# Altium PCB Wall_Following_Robot_PCB.PcbDoc (part 1 of 2)
Units mm, origin at the board's own origin, x right, y up, seen from the top; angles counter-clockwise.
Board outline 197.92 x 110 mm, 2 copper layers (Top Layer, Bottom Layer); 215 components, 150 nets, 648 pads, 191 vias.
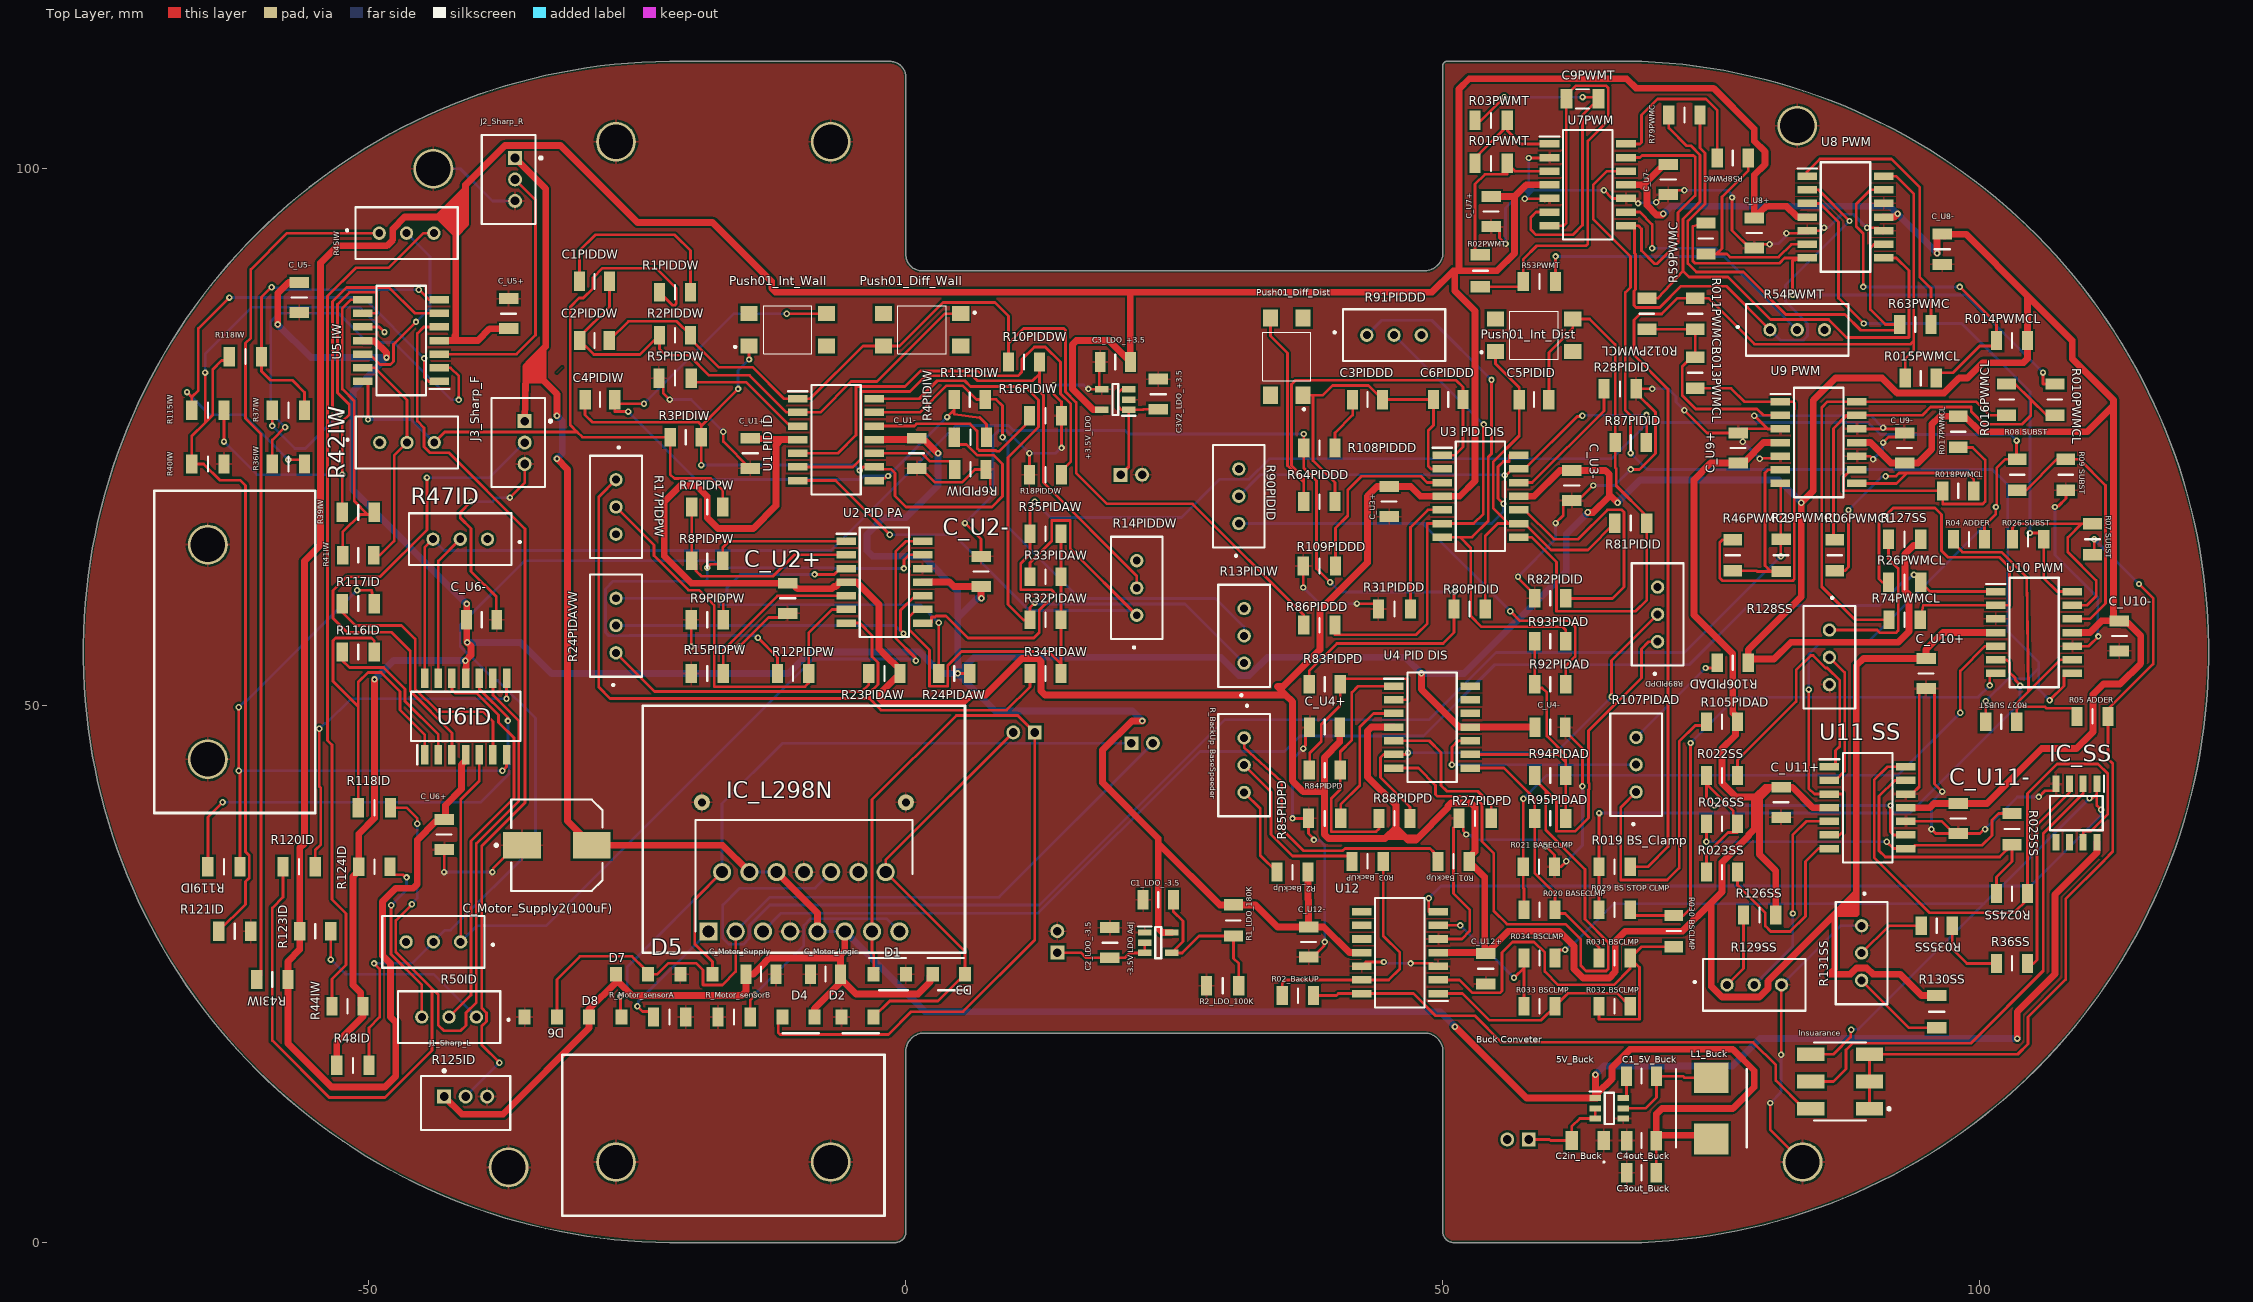
[diagram p0: Top Layer view]
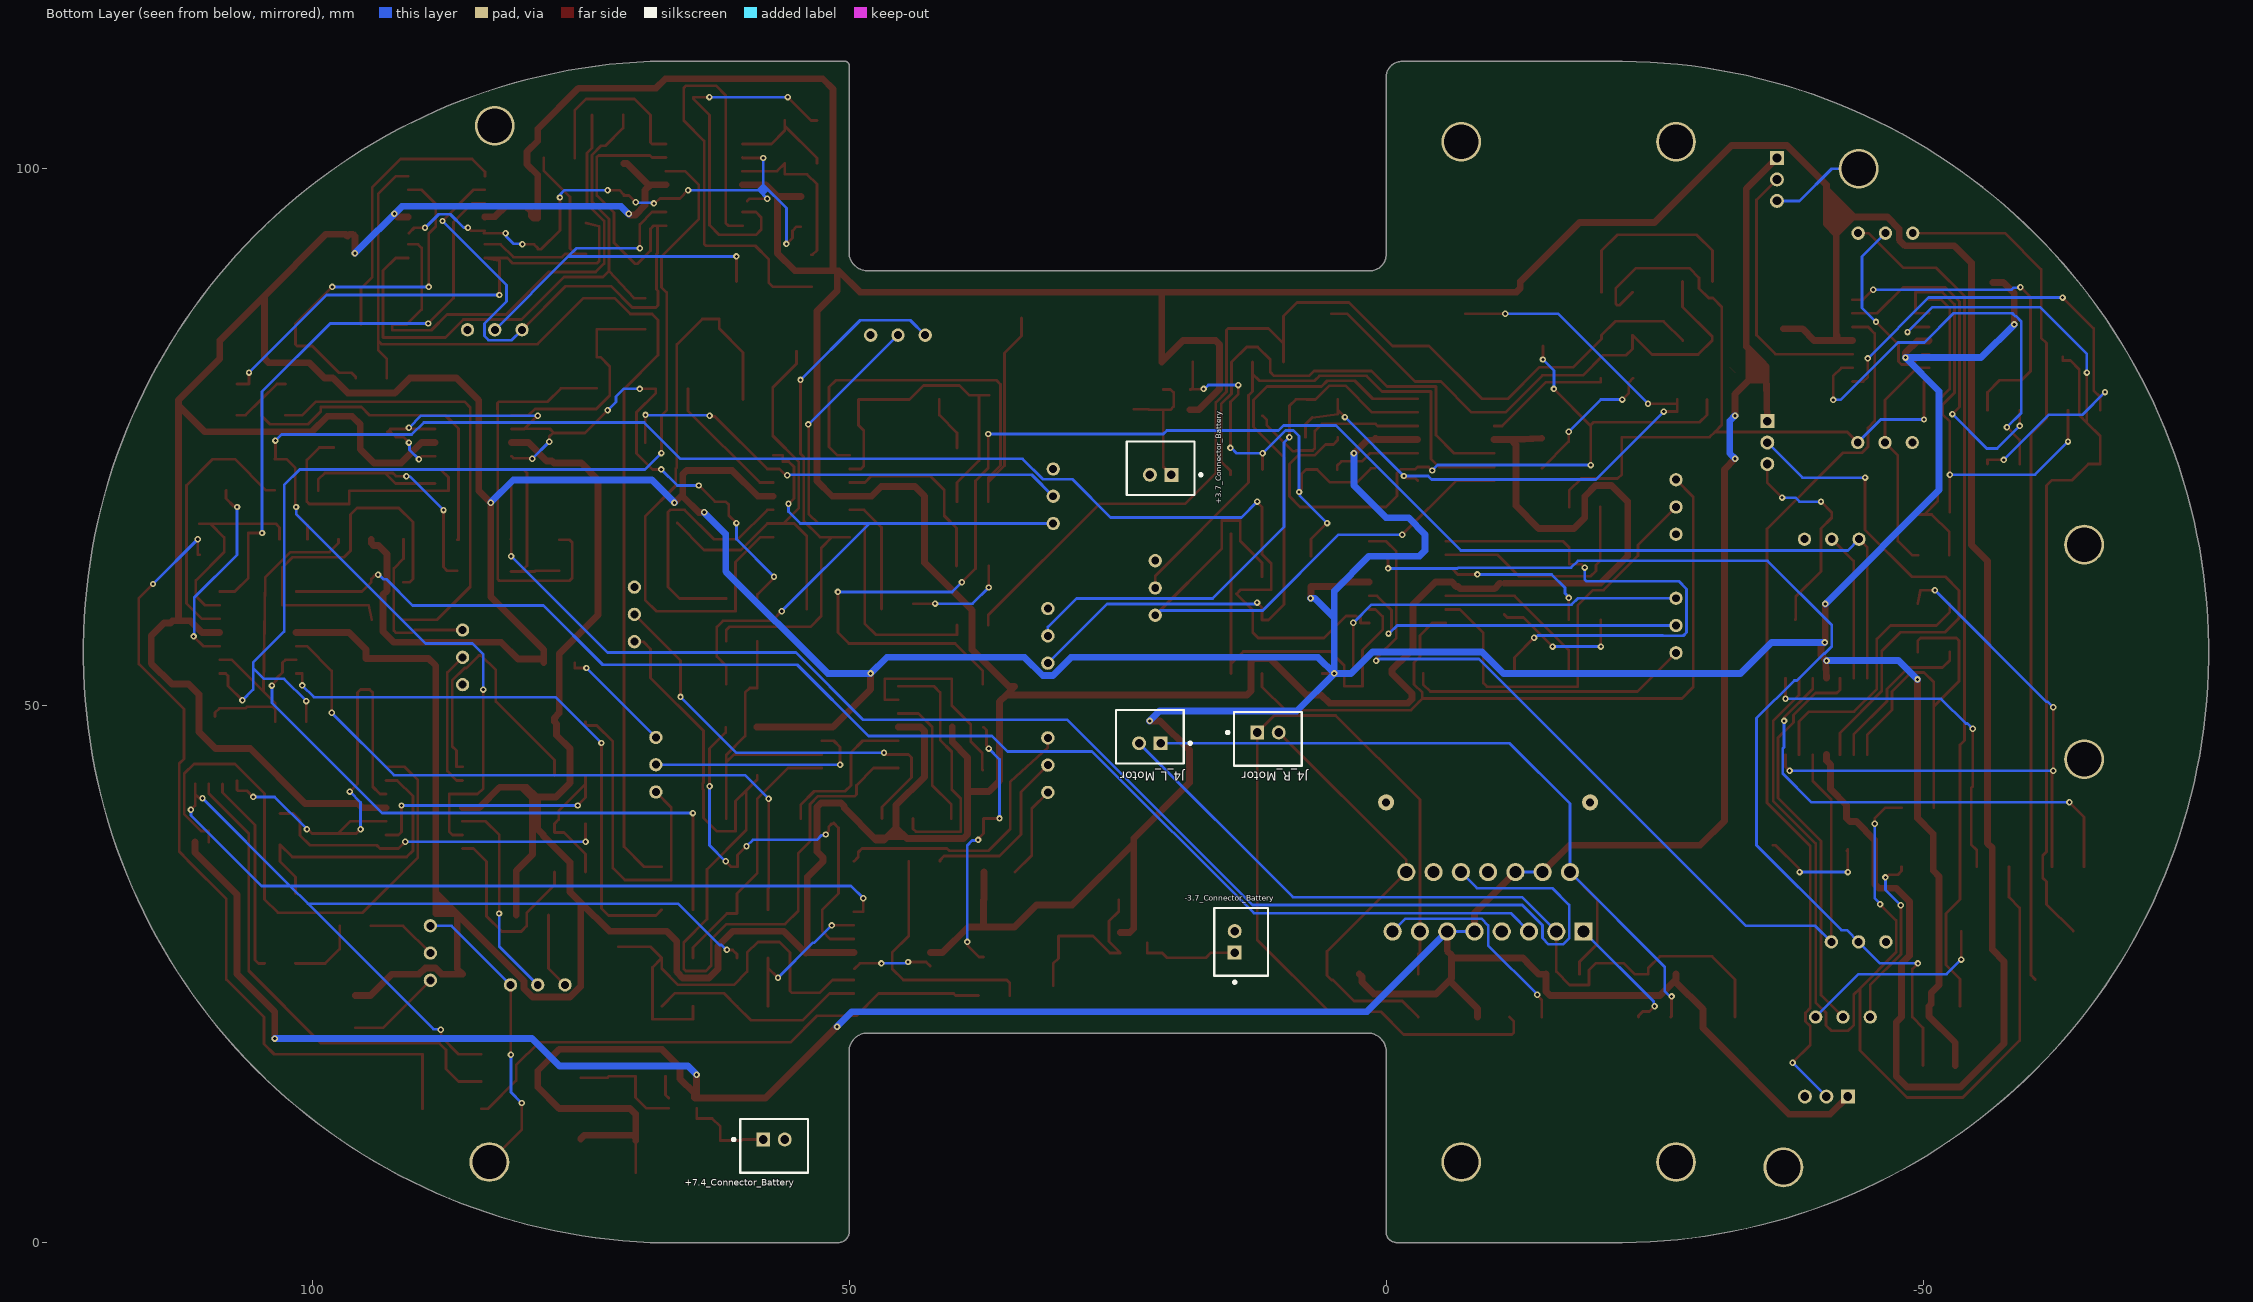
[diagram p1: Bottom Layer view, seen from below]
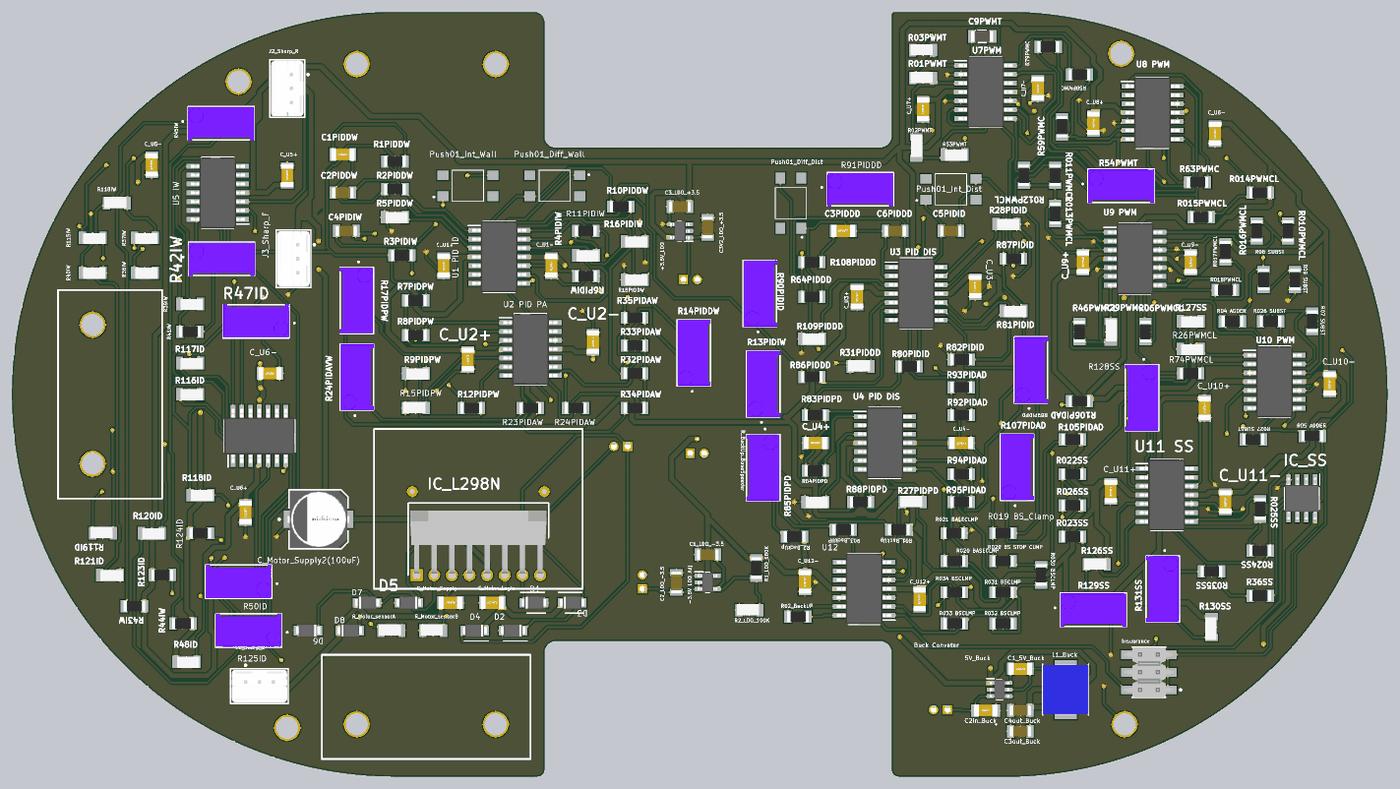
[diagram p3: 3D render of the assembled board from above, using the file's embedded part models]
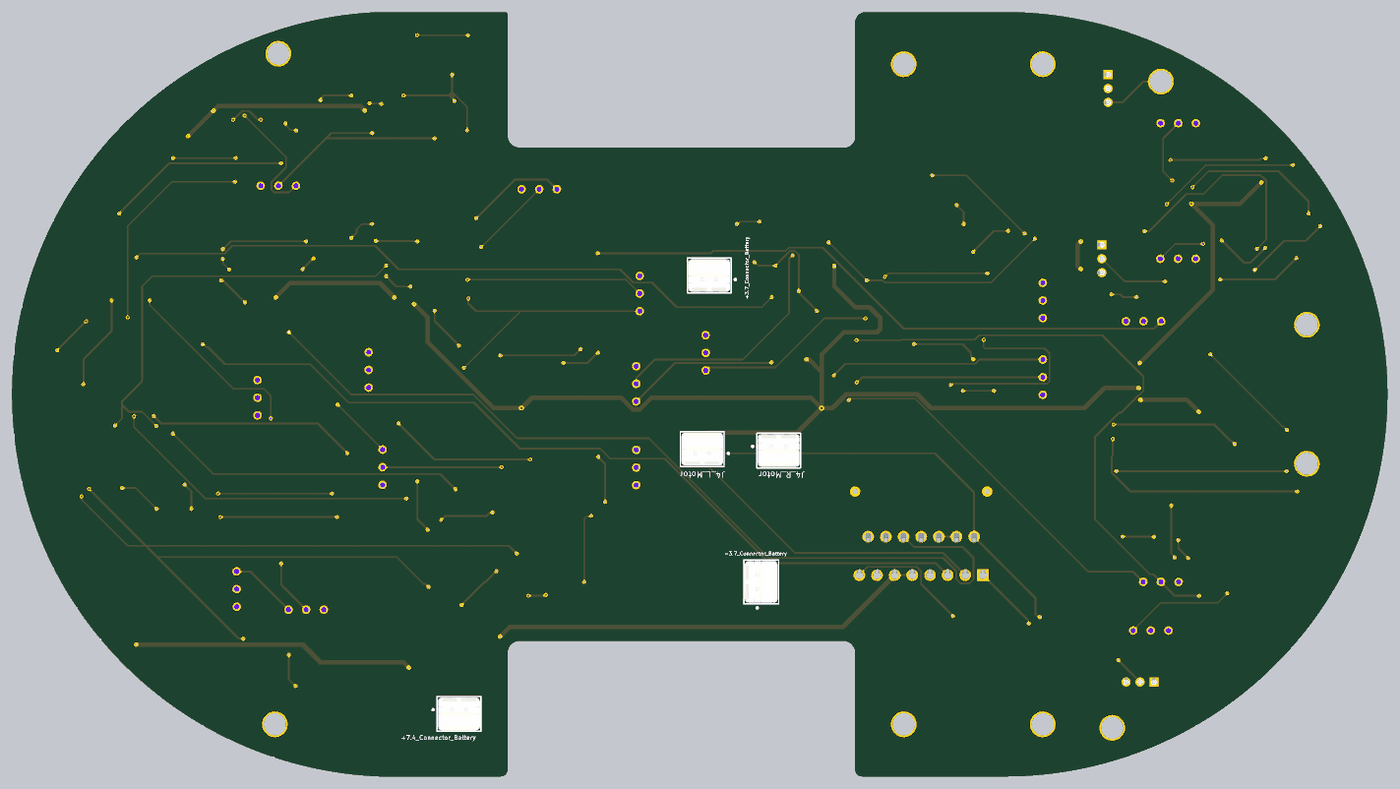
[diagram p4: 3D render of the assembled board from below, using the file's embedded part models]

## Layer stack, top to bottom
Top Solder: solder mask 0.0102, Solder Resist, Dk 3.5
Top Layer: signal copper 0.0356
Dielectric 1: dielectric 0.32, FR-4, Dk 4.8
Bottom Layer: signal copper 0.0356
Bottom Solder: solder mask 0.0102, Solder Resist, Dk 3.5

## Board outline
0,108.5 0,92 ccw(c1.5,92) 1.5,90.5 48.5,90.5 ccw(c48.25,92.25) 50,92 50,109.6 cw(c50.4,109.6) 50.4,110 68.5,110 cw(c66.276,55) 68.5,0 51,0 cw(c51,1) 50,1 50,18 ccw(c48.25,17.75) 48.5,19.5 1.507,19.5 ccw(c1.748,17.75) 0,18.003 0,1 cw(c-1,1) -1,0 -22,0 cw(c-21.601,55) -22,110 -1.5,110 cw(c-1.5,108.5)

## Design rules (kind name [scope] priority, off if disabled: settings)
BoardOutlineClearance [All] p1: gap=0.2 ignorepadtopadclearanceinfootprint=FALSE
Clearance [All] p1: gap=0.203 ignorepadtopadclearanceinfootprint=FALSE except(0.25: Arc-Hole Track-Hole SMDPad-Hole THPad-Hole Via-Hole Fill-Hole Poly-Hole Region-Hole Text-Hole)
ComponentClearance [All] p1: gap=0.127 collisioncheckmode=3 verticalgap=0.127 showdistances=TRUE
DiffPairsRouting [All] p1: maxlimit=0.381 minlimit=0.203 mostfreqgap=0.203 toplayer_minwidth=0.203 toplayer_maxwidth=25.4 toplayer_prefwidth=0.203 bottomlayer_minwidth=0.203 bottomlayer_maxwidth=25.4 bottomlayer_prefwidth=0.203 maxuncoupledlength=12.7
Height [All] p1: minheight=0 maxheight=1816.048 prefheight=12.7
HoleSize [All] p1: absolutevalues=TRUE maxlimit=6.3 minlimit=0.3 maxpercent=80.000 minpercent=20.000
HoleToHoleClearance [All] p1: gap=0.25 allowstackedmicrovias=FALSE
MinimumAnnularRing [All] p1: minimumring=0.076
MinimumSolderMaskSliver [All] p1: minsoldermaskwidth=0
PlaneClearance [All] p1: clearance=0.203
PlaneConnect PlaneConnectPowerPads [InPadClass('PowerPads')] p1: planeconnectstyle=Direct reliefexpansion=0.508 reliefentries=4 reliefconductorwidth=0.254 reliefairgap=0.254
PlaneConnect [All] p2: pad.planeconnectstyle=Relief pad.reliefexpansion=0.3 pad.reliefentries=4 pad.reliefconductorwidth=0.203 pad.reliefairgap=0.203 via.planeconnectstyle=Direct via.reliefexpansion=0.3 via.reliefentries=4 via.reliefconductorwidth=0.127 via.reliefairgap=0.127
PolygonConnect PolygonConnectPowerPads [All vs (InPadClass('PowerPads'))] p1: connectstyle=Direct reliefconductorwidth=0.254 reliefentries=4 polygonreliefangle="90 Angle" airgapwidth=0.254
PolygonConnect [All] p2: thpad.connectstyle=Relief thpad.reliefconductorwidth=0.203 thpad.reliefentries=4 thpad.polygonreliefangle="90 Angle" thpad.airgapwidth=0.203 smdpad.connectstyle=Relief smdpad.reliefconductorwidth=0.203 smdpad.reliefentries=4 smdpad.polygonreliefangle="90 Angle" smdpad.airgapwidth=0.203 via.connectstyle=Direct via.reliefconductorwidth=0.127 via.reliefentries=4 via.polygonreliefangle="90 Angle" via.airgapwidth=0.127
RoutingVias [All] p1: holewidth=0.3 width=0.6 viastyle="Through Hole" minholewidth=0.3 minwidth=0.6 maxholewidth=0.6 maxwidth=6.6
SilkToSilkClearance [All] p1: silktosilkclearance=0
SilkToSolderMaskClearance [IsPad] p1: minsilkscreentomaskgap=0.127 clearancetoexposedcopper=TRUE
SolderMaskExpansion [All] p1: expansion=0.075 istentingtop=FALSE
Width [All] p1: maxlimit=25.4 minlimit=0.203 preferedwidth=0.254 minimp=50.000000 maximp=50.000000 favimp=50.000000
20 further rules are at their usual default settings.

## Components (designator, comment, footprint, x,y, rotation, side; value= is the part's Value field where it differs from the comment)
5V_Buck "AP63205WU-7" SOT95P280X100-6N 65.5,12.5 r0 top
+3.5V_LDO "TLV70235DBVT" SOT95P280X145-5N 19.5,78.5 r180 top
+3.7_Connector_Battery "440054-2" FP-440054-2-MFG 21,72.1 r180 bottom
+7.4_Connector_Battery "440054-2" FP-440054-2-MFG 57,9 r0 bottom
"-3.5V LDO Adj" "MAX1735EUK30+T" SOT95P280X145-5N 23.5,27.925 r0 top
-3.7_Connector_Battery "440054-2" FP-440054-2-MFG 13.5,28 r270 bottom
C1_5V_Buck "0.1uF" CAPC3216X110N 68.5,15.5 r180 top
C1_LDO_-3.5 "1uF" CAPC3216X140N 23.5,31.925 r0 top
C1PIDDW "0.1uF" CAPC3216X110N -29,89.5 r0 top
C2_LDO_-3.5 "1uF" CAPC3216X140N 19,27.925 r270 top
C2in_Buck "10uF" C1206 63.5,9.5 r180 top
C2PIDDW "22nF" CAPC3216X95N -29,84 r0 top
C3_LDO_+3.5 "1uF" CAPC3216X140N 19.5,82 r0 top
C3out_Buck "22uF" CAPC3216X180N 68.5,6.5 r0 top
C3PIDDD "0.1uF" CAPC3216X110N 43,78.5 r0 top
C3V2_LDO_+3.5 "1uF" CAPC3216X140N 23.5,79 r90 top
C4out_Buck "22uF" CAPC3216X180N 68.5,9.5 r0 top
C4PIDIW "100uF" CAPC3216X180N -28.5,78.5 r0 top
C5PIDID "100uF" CAPC3216X180N 58.5,78.5 r0 top
C6PIDDD "22nF" CAPC3216X95N 50.5,78.5 r0 top
C9PWMT "30nF" CAPC3216X94N 63,106.5 r180 top
C_Motor_Logic "0.1uF" CAPC3216X110N -7.5,25 r0 top
C_Motor_Supply "0.1uF" CAPC3216X110N -13.5,25 r180 top
C_Motor_Supply2(100uF) "UWT1H101MNL1GS" FP-UWT1H101MNL1GS-MFG -32.5,37 r0 top
C_U1+ "0.1uF" CAPC3216X110N -14.5,73.5 r90 top
C_U1- "0.1uF" CAPC3216X110N 1,73.5 r90 top
C_U2+ "0.1uF" CAPC3216X110N -11,60 r90 top
C_U2- "0.1uF" CAPC3216X110N 7,62.5 r270 top
C_U3+ "0.1uF" CAPC3216X110N 45,69 r90 top
C_U3- "0.1uF" CAPC3216X110N 62,70.5 r90 top
C_U4+ "0.1uF" CAPC3216X110N 39,48 r0 top
C_U4- "0.1uF" CAPC3216X110N 60,48 r180 top
C_U5+ "0.1uF" CAPC3216X110N -37,86.5 r270 top
C_U5- "0.1uF" CAPC3216X110N -56.5,88 r90 top
C_U6+ "0.1uF" CAPC3216X110N -43,38 r90 top
C_U6- "0.1uF" CAPC3216X110N -39.5,58 r180 top
C_U7+ "0.1uF" CAPC3216X110N 54.5,96 r90 top
C_U7- "0.1uF" CAPC3216X110N 71,99 r90 top
C_U8+ "0.1uF" CAPC3216X110N 79,94 r90 top
C_U8- "0.1uF" CAPC3216X110N 96.5,92.5 r90 top
C_U9+ "0.1uF" CAPC3216X110N 77.5,74 r270 top
C_U9- "0.1uF" CAPC3216X110N 93,74 r270 top
C_U10+ "0.1uF" CAPC3216X110N 95,53 r90 top
C_U10- "0.1uF" CAPC3216X110N 113,56.5 r90 top
C_U11+ "0.1uF" CAPC3216X110N 81.5,41 r90 top
C_U11- "0.1uF" CAPC3216X110N 98,39.5 r90 top
C_U12+ "0.1uF" CAPC3216X110N 54,25.5 r90 top
C_U12- "0.1uF" CAPC3216X110N 37.5,28 r90 top
D1 "Diode_R1" SODFL3518X115N -1.5,25 r0 top
D2 "Diode_R2" SODFL3518X115N -4.5,21 r180 top
D3 "Diode_R3" SODFL3518X115N 4,25 r0 top
D4 "Diode_R4" SODFL3518X115N -10,21 r180 top
D5 "Diode_L1" SODFL3518X115N -19.5,25 r180 top
D6 "Diode_L2" SODFL3518X115N -34,21 r180 top
D7 "Diode_L3" SODFL3518X115N -25.5,25 r0 top
D8 "Diode_L4" SODFL3518X115N -28,21 r0 top
IC_L298N "L298N" TO127P500X2020X2210-15P -18.39,28.97 r0 top
IC_SS "MAX4544ESA+" SOIC127P600X175-8N 109,40 r270 top
Insuarance "95278-101A06LF" AMPM-95278-101A06LF_V 87,15 r90 top
J1_Sharp_L "440054-3" FP-440054-3-MFG -41,13 r180 top
J2_Sharp_R "440054-3" FP-440054-3-MFG -37,99 r90 top
J3_Sharp_F "440054-3" FP-440054-3-MFG -36.1,74.5 r90 top
J4_L_Motor "440054-2" FP-440054-2-MFG 22,47.1 r180 bottom
J4_R_Motor "440054-2" FP-440054-2-MFG 11,46.9 r0 bottom
L1_Buck "SRP7028CC-4R7M" INDPM7366X300N 75,12.5 r90 top
Push01_Diff_Dist "TL3305BF160QG" TL3305BF160QG 35.461,82.5 r90 top
Push01_Diff_Wall "TL3305BF160QG" TL3305BF160QG 1.5,85 r180 top
Push01_Int_Dist "TL3305BF160QG" TL3305BF160QG 58.5,84.5 r0 top
Push01_Int_Wall "TL3305BF160QG" TL3305BF160QG -11,85 r0 top
R01_BackUp "200K" RESC3116X65N 51,35.5 r180 top
R1_LDO_180K "RT1206FRE07180KL" RESC3116X65N 30.5,30 r90 top
R1PIDDW "47K" RESC3116X65N -21.5,88.5 r0 top
R01PWMT "100K" RESC3216X60N 54.5,100.5 r180 top
R2_BackUp "200K" RESC3116X65N 36,34.5 r0 top
R02_BackUP "47K" RESC3116X65N 36.5,23 r180 top
R2_LDO_100K "100K" RESC3216X60N 29.5,23.925 r180 top
R2PIDDW "47K" RESC3116X65N -21.5,84.5 r0 top
R02PWMT "22K" RESC3216X60N 53.5,90.5 r90 top
R03_BackUP "47K" RESC3116X65N 43,35.5 r0 top
R3PIDIW "47K" RESC3116X65N -20.5,75 r0 top
R03PWMT "1K" RESC3216X60N 54.5,104.5 r180 top
"R04 ADDER" "47K" RESC3116X65N 99,65.5 r180 top
R4PIDIW "2MOhm" RESC3216X60N 6,75 r0 top
"R05 ADDER" "47K" RESC3116X65N 110.5,49 r180 top
R5PIDDW "47K" RESC3216X60N -21.5,80.5 r0 top
R6PIDIW "47K" RESC3116X65N 6,72 r180 top
R06PWMCL "47K" RESC3116X65N 86.5,64 r90 top
"R07 SUBST" "47K" RESC3116X65N 110.5,65.5 r90 top
R7PIDPW "47K" RESC3116X65N -18.5,68.5 r180 top
"R08 SUBST" "47K" RESC3116X65N 103.5,71.5 r270 top
R8PIDPW "47K" RESC3116X65N -18.5,63.5 r0 top
"R09 SUBST" "47K" RESC3116X65N 108,71.5 r90 top
R9PIDPW "22K" RESC3216X60N -18.5,58 r0 top
R10PIDDW "47K" RESC3116X65N 11,82 r0 top
R010PWMCL "47K" RESC3116X65N 107,78.5 r270 top
R11PIDIW "47K" RESC3116X65N 5.95,78.5 r0 top
R011PWMCL "47K" RESC3116X65N 73.5,86.5 r270 top
R12PIDPW "47K" RESC3116X65N -10.5,53 r0 top
R012PWMCL "47K" RESC3116X65N 69,86.5 r270 top
R13PIDIW "50OHM" 3296W-1 31.5,56.5 r90 top
R013PWMCL "47K" RESC3116X65N 73.5,81 r270 top
R14PIDDW "50OHM" 3296W-1 21.5,60.96 r90 top
R014PWMCL "47K" RESC3116X65N 103,84 r180 top
R15PIDPW "22K" RESC3216X60N -18.5,53 r180 top
R015PWMCL "47K" RESC3116X65N 94.5,80.5 r180 top
R16PIDIW "22K" RESC3216X60N 13,77 r0 top
R016PWMCL "47K" RESC3116X65N 102.5,78.5 r270 top
R17PIDPW "50OHM" 3296W-1 -27,68.5 r270 top
R017PWMCL "47K" RESC3116X65N 98,75.5 r270 top
R18PIDDW "22K" RESC3216X60N 13,71.5 r0 top
R018PWMCL "47K" RESC3116X65N 98,70 r0 top
"R019 BS_Clamp" "47K" RESC3116X65N 66,35 r180 top
"R020 BASECLMP" "47K" RESC3116X65N 59,31 r180 top
"R021 BASECLMP" "47K" RESC3116X65N 58.95,35 r0 top
R022SS "47K" RESC3116X65N 76,43.5 r180 top
R23PIDAW "200K" RESC3116X65N -2,53 r180 top
R023SS "47K" RESC3116X65N 76,34.5 r180 top
R24PIDAVW "50OHM" 3296W-1 -27,57.46 r90 top
R24PIDAW "200K" RESC3116X65N 4.5,53 r0 top
R024SS "47K" RESC3116X65N 103,32.5 r0 top
R025SS "47K" RESC3116X65N 103,38.5 r270 top
"R026 SUBST" "47K" RESC3116X65N 104.5,65.5 r0 top
R26PWMCL "100K" RESC3216X60N 93,61.5 r0 top
R026SS "47K" RESC3116X65N 76,39 r180 top
"R027 SUBST" "47K" RESC3116X65N 102,48.5 r180 top
R27PIDPD "22K" RESC3216X60N 53,39.5 r180 top
R28PIDID "22K" RESC3216X60N 66.5,79.5 r0 top
"R029 BS STOP CLMP" "47K" RESC3116X65N 66,31 r0 top
R29PWMCL "100K" RESC3216X60N 81.5,64 r90 top
"R030 BSCLMP" "47K" RESC3116X65N 71.5,29 r270 top
"R031 BSCLMP" "47K" RESC3116X65N 66,26.5 r0 top
R31PIDDD "22K" RESC3216X60N 45.5,59 r180 top
"R032 BSCLMP" "47K" RESC3116X65N 66,22 r0 top
R32PIDAW "47K" RESC3116X65N 13,58 r0 top
"R033 BSCLMP" "47K" RESC3116X65N 59,22 r180 top
R33PIDAW "47K" RESC3116X65N 13,62 r0 top
"R034 BSCLMP" "47K" RESC3116X65N 59,26.5 r0 top
R34PIDAW "47K" RESC3116X65N 13,53 r0 top
R35PIDAW "47K" RESC3116X65N 13,66 r180 top
R035SS "47K" RESC3116X65N 96,29.5 r0 top
R36IW "22K" RESC3216X60N -57.5,72.5 r0 top
R36SS "47K" RESC3116X65N 103,26 r0 top
R37IW "22K" RESC3216X60N -57.5,77.5 r0 top
R39IW "22K" RESC3216X60N -51,68 r0 top
R40IW "22K" RESC3216X60N -65,72.5 r0 top
R41IW "47K" RESC3116X65N -51,64 r0 top
R42IW "50OHM" 3296W-1 -46.46,74.5 r0 top
R43IW "200K" RESC3116X65N -59,24.5 r180 top
R44IW "200K" RESC3116X65N -52,22 r0 top
R45IW "50OHM" 3296W-1 -46.5,94 r0 top
R46PWMCL "47K" RESC3116X65N 77,64 r270 top
R47ID "50OHM" 3296W-1 -41.5,65.5 r180 top
R48ID "100K" RESC3216X60N -51.5,16.5 r0 top
R50ID "50OHM" 3296W-1 -44,28 r180 top
R53PWMT "22K" RESC3216X60N 59,89.5 r0 top
R54PWMT "50OHM" 3296W-1 83,85 r0 top
R58PWMC "47K" RESC3116X65N 77,101 r0 top
R59PWMC "47K" RESC3116X65N 74.5,93.5 r90 top
R63PWMC "47K" RESC3116X65N 94,85.5 r180 top
R64PIDDD "47K" RESC3116X65N 38.5,69 r180 top
R74PWMCL "47K" RESC3116X65N 93,58 r0 top
R79PWMC "47K" RESC3116X65N 72.5,105 r180 top
R80PIDID "47K" RESC3116X65N 52.5,59 r0 top
R81PIDID "2MOhm" RESC3216X60N 67.5,67 r0 top
R82PIDID "47K" RESC3116X65N 60,60 r0 top
R83PIDPD "47K" RESC3116X65N 39,52 r0 top
R84PIDPD "47K" RESC3116X65N 39,44 r0 top
R85PIDPD "22K" RESC3216X60N 39,39.5 r0 top
R86PIDDD "47K" RESC3116X65N 38.5,57.5 r0 top
R87PIDID "47K" RESC3116X65N 67.5,74.5 r0 top
R88PIDPD "47K" RESC3116X65N 45.5,39.5 r0 top
R89PIDPD "50OHM" 3296W-1 70,58.5 r90 top
R90PIDID "50OHM" 3296W-1 31,69.5 r90 top
R91PIDDD "50OHM" 3296W-1 45.46,84.5 r0 top
R92PIDAD "47K" RESC3116X65N 60,52 r180 top
R93PIDAD "47K" RESC3116X65N 60,56 r180 top
R94PIDAD "47K" RESC3116X65N 60,43.5 r0 top
R95PIDAD "47K" RESC3116X65N 60,39.5 r180 top
R105PIDAD "200K" RESC3116X65N 76,48.5 r180 top
R106PIDAD "200K" RESC3116X65N 77,54 r0 top
R107PIDAD "50OHM" 3296W-1 68,44.5 r90 top
R108PIDDD "47K" RESC3116X65N 38.5,74 r0 top
R109PIDDD "47K" RESC3216X60N 38.5,63 r0 top
R115IW "22K" RESC3216X60N -65,77.5 r0 top
R116ID "22K" RESC3216X60N -51,55 r0 top
R117ID "22K" RESC3216X60N -51,59.5 r0 top
R118ID "22K" RESC3216X60N -49.5,40.5 r0 top
R118IW "22K" RESC3216X60N -61.5,82.5 r180 top
R119ID "22K" RESC3216X60N -63.5,35 r180 top
R120ID "22K" RESC3216X60N -56.5,35 r0 top
R121ID "22K" RESC3216X60N -62.5,29 r0 top
R123ID "200K" RESC3116X65N -55,29 r0 top
R124ID "200K" RESC3116X65N -49.5,35 r180 top
R125ID "50OHM" 3296W-1 -42.54,21 r180 top
R126SS "100K" RESC3216X60N 79.5,30.5 r180 top
R127SS "100K" RESC3216X60N 93,65.5 r0 top
R128SS "50OHM" 3296W-1 86,54.5 r270 top
R129SS "50OHM" 3296W-1 79,24 r0 top
R130SS "100K" RESC3216X60N 96,21.5 r270 top
R131SS "50OHM" 3296W-1 89,26.96 r270 top
R_BackUp_BaseSpeeder "200K" 3296W-1 31.5,44.46 r270 top
R_Motor_sensorA "1K" RESC3216X60N -22,21 r180 top
R_Motor_sensorB "1K" RESC3216X60N -16,21 r180 top
"U1 PID ID" "TL084CNSR" SOIC127P780X200-14N -6.5,74.771 r0 top
"U2 PID PA" "TL084CNSR" SOIC127P780X200-14N -2,61.5 r0 top
"U3 PID DIS" "TL084CNSR" SOIC127P780X200-14N 53.5,69.5 r0 top
"U4 PID DIS" "TL084CNSR" SOIC127P780X200-14N 49,48 r0 top
"U5 IW" "TL084CNSR" SOIC127P780X200-14N -47,84 r180 top
U6ID "TL084CNSR" SOIC127P780X200-14N -41,49 r90 top
U7PWM "TL084CNSR" SOIC127P780X200-14N 63.5,98.5 r0 top
"U8 PWM" "TL084CNSR" SOIC127P780X200-14N 87.5,95.5 r0 top
"U9 PWM" "TL084CNSR" SOIC127P780X200-14N 85,74.5 r0 top
"U10 PWM" "TL084CNSR" SOIC127P780X200-14N 105.062,56.81 r0 top
"U11 SS" "TL084CNSR" SOIC127P780X200-14N 89.562,40.5 r0 top
U12 "TL084CNSR" SOIC127P780X200-14N 46,27 r180 top
